# Altium PCB mchf_pro_ui.PcbDoc (part 1 of 5)
Units mil, origin at the board's own origin, x right, y up, seen from the top; angles counter-clockwise.
Board outline 7877.73 x 5661.04 mil, 2 copper layers (Top Layer, Bottom Layer); 336 components, 338 nets, 1291 pads, 827 vias.
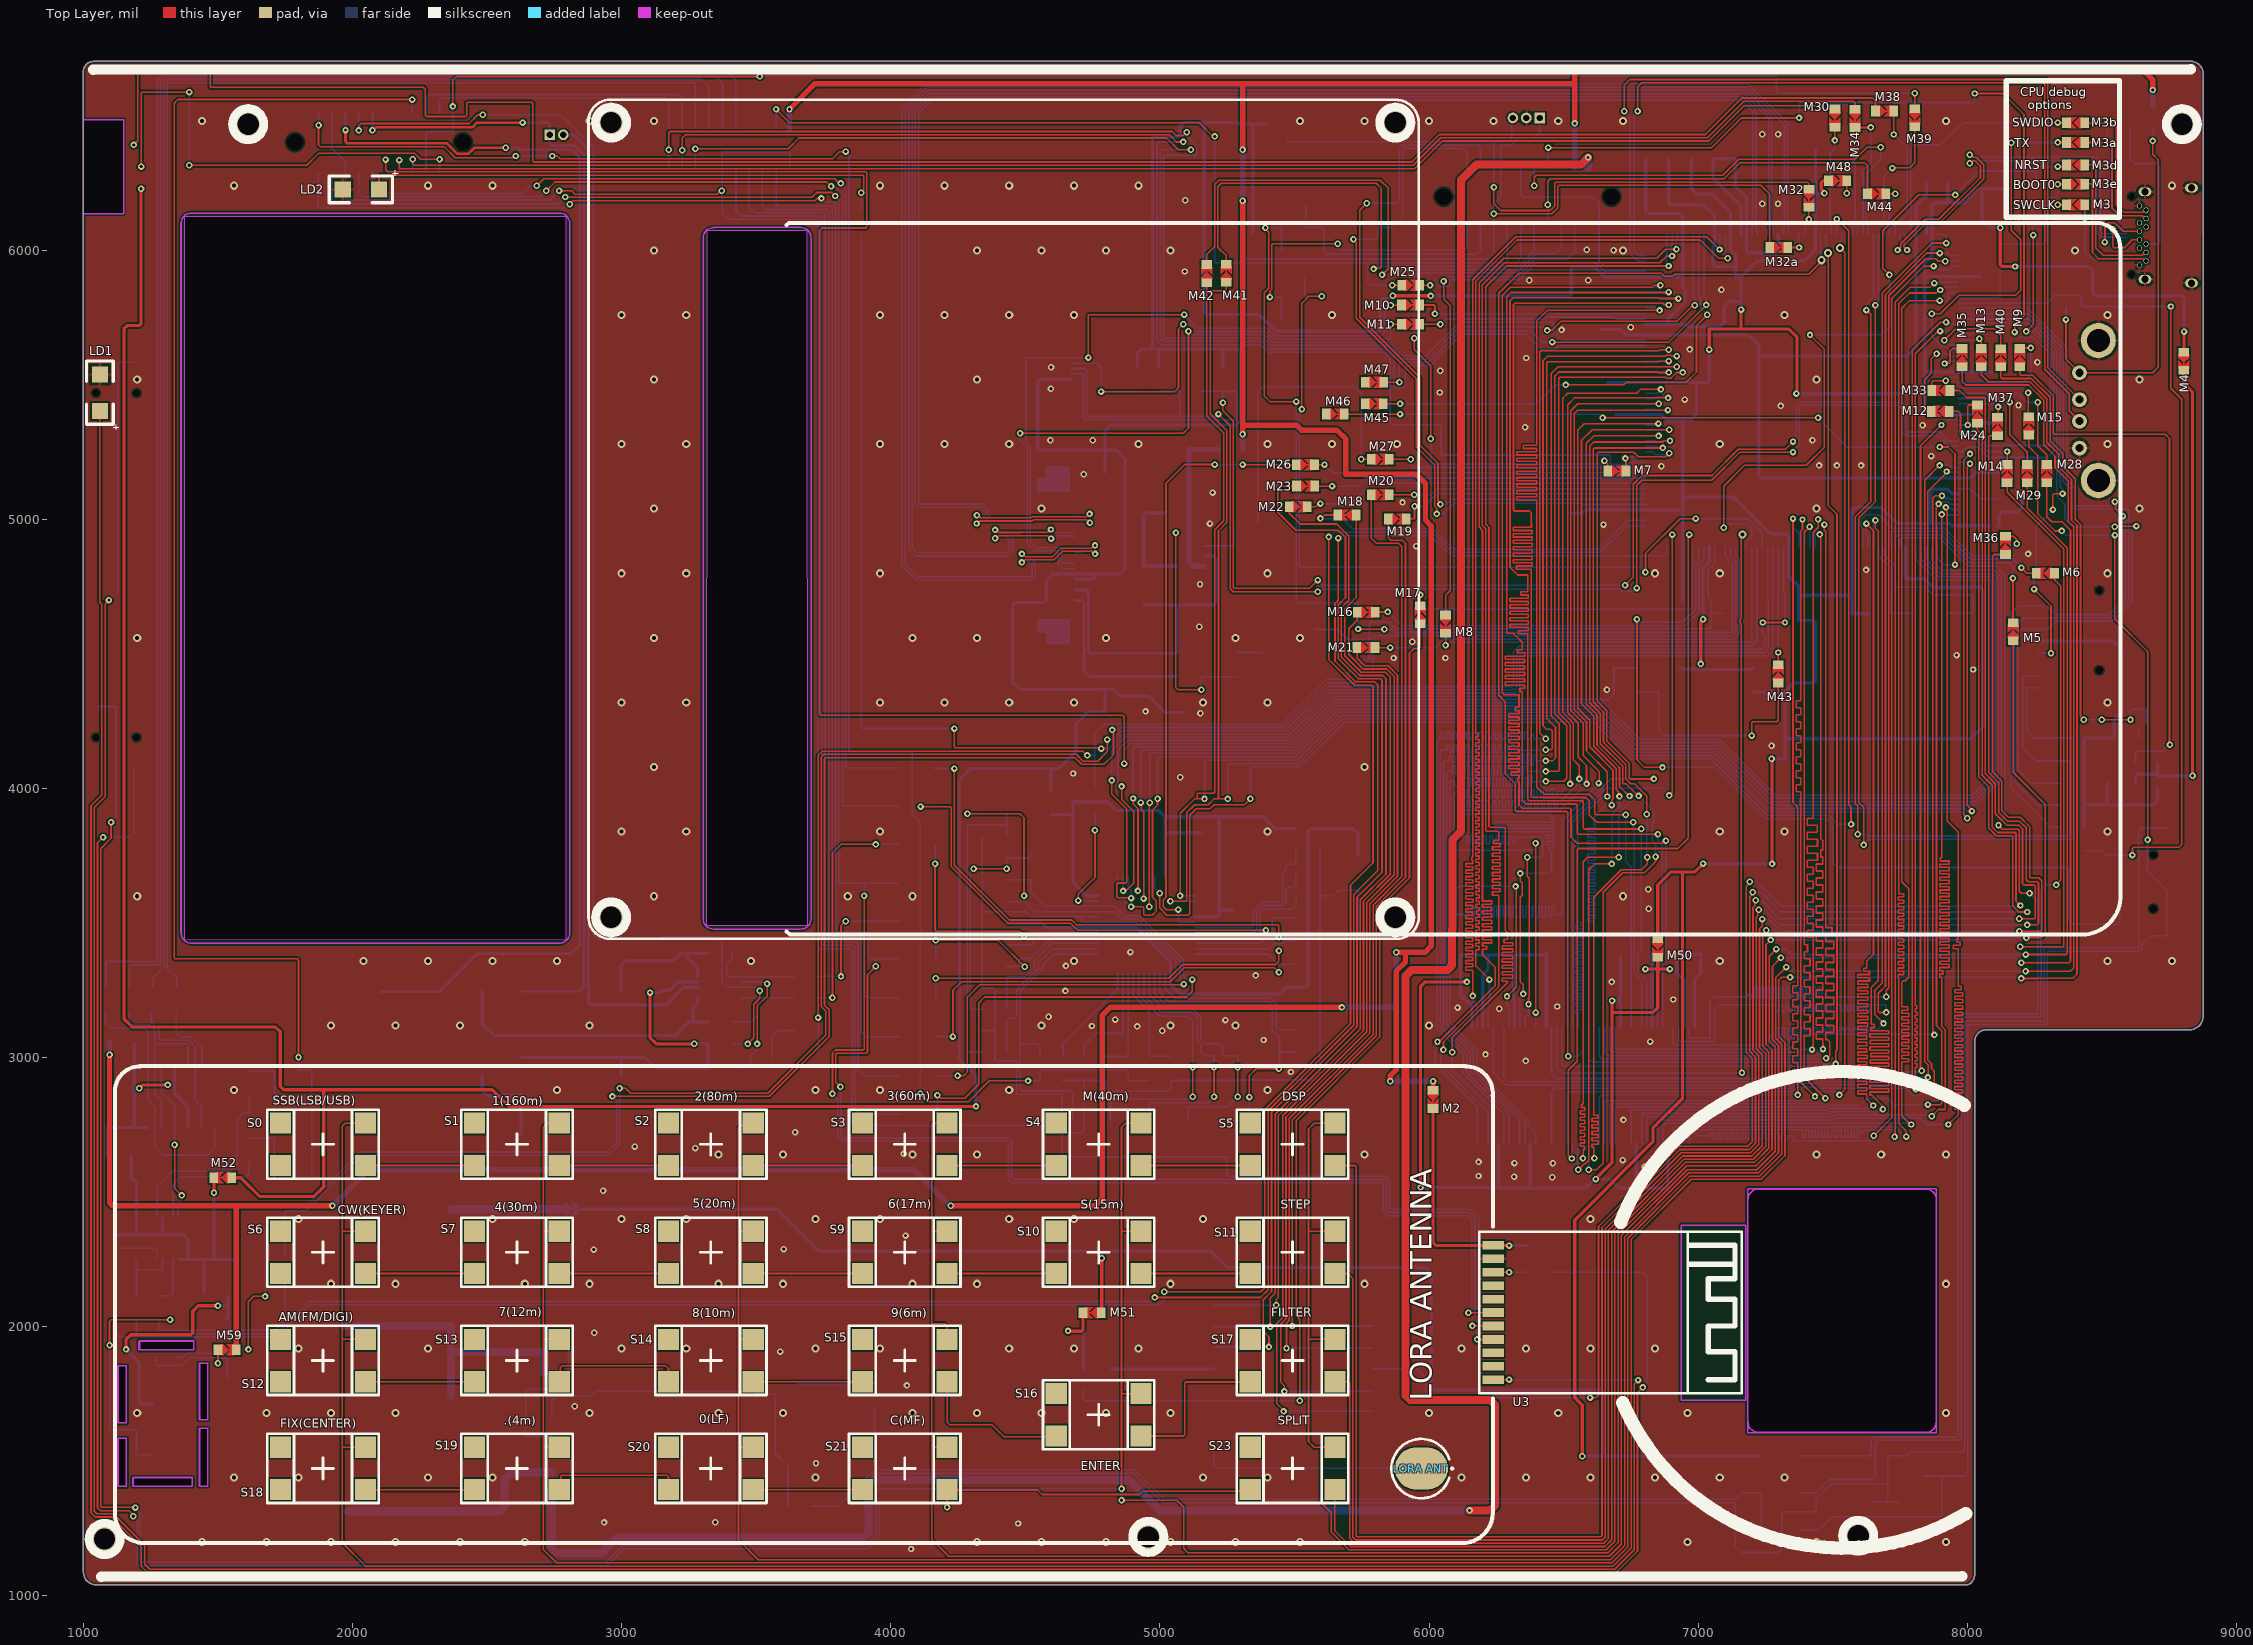
[diagram p0: Top Layer view]
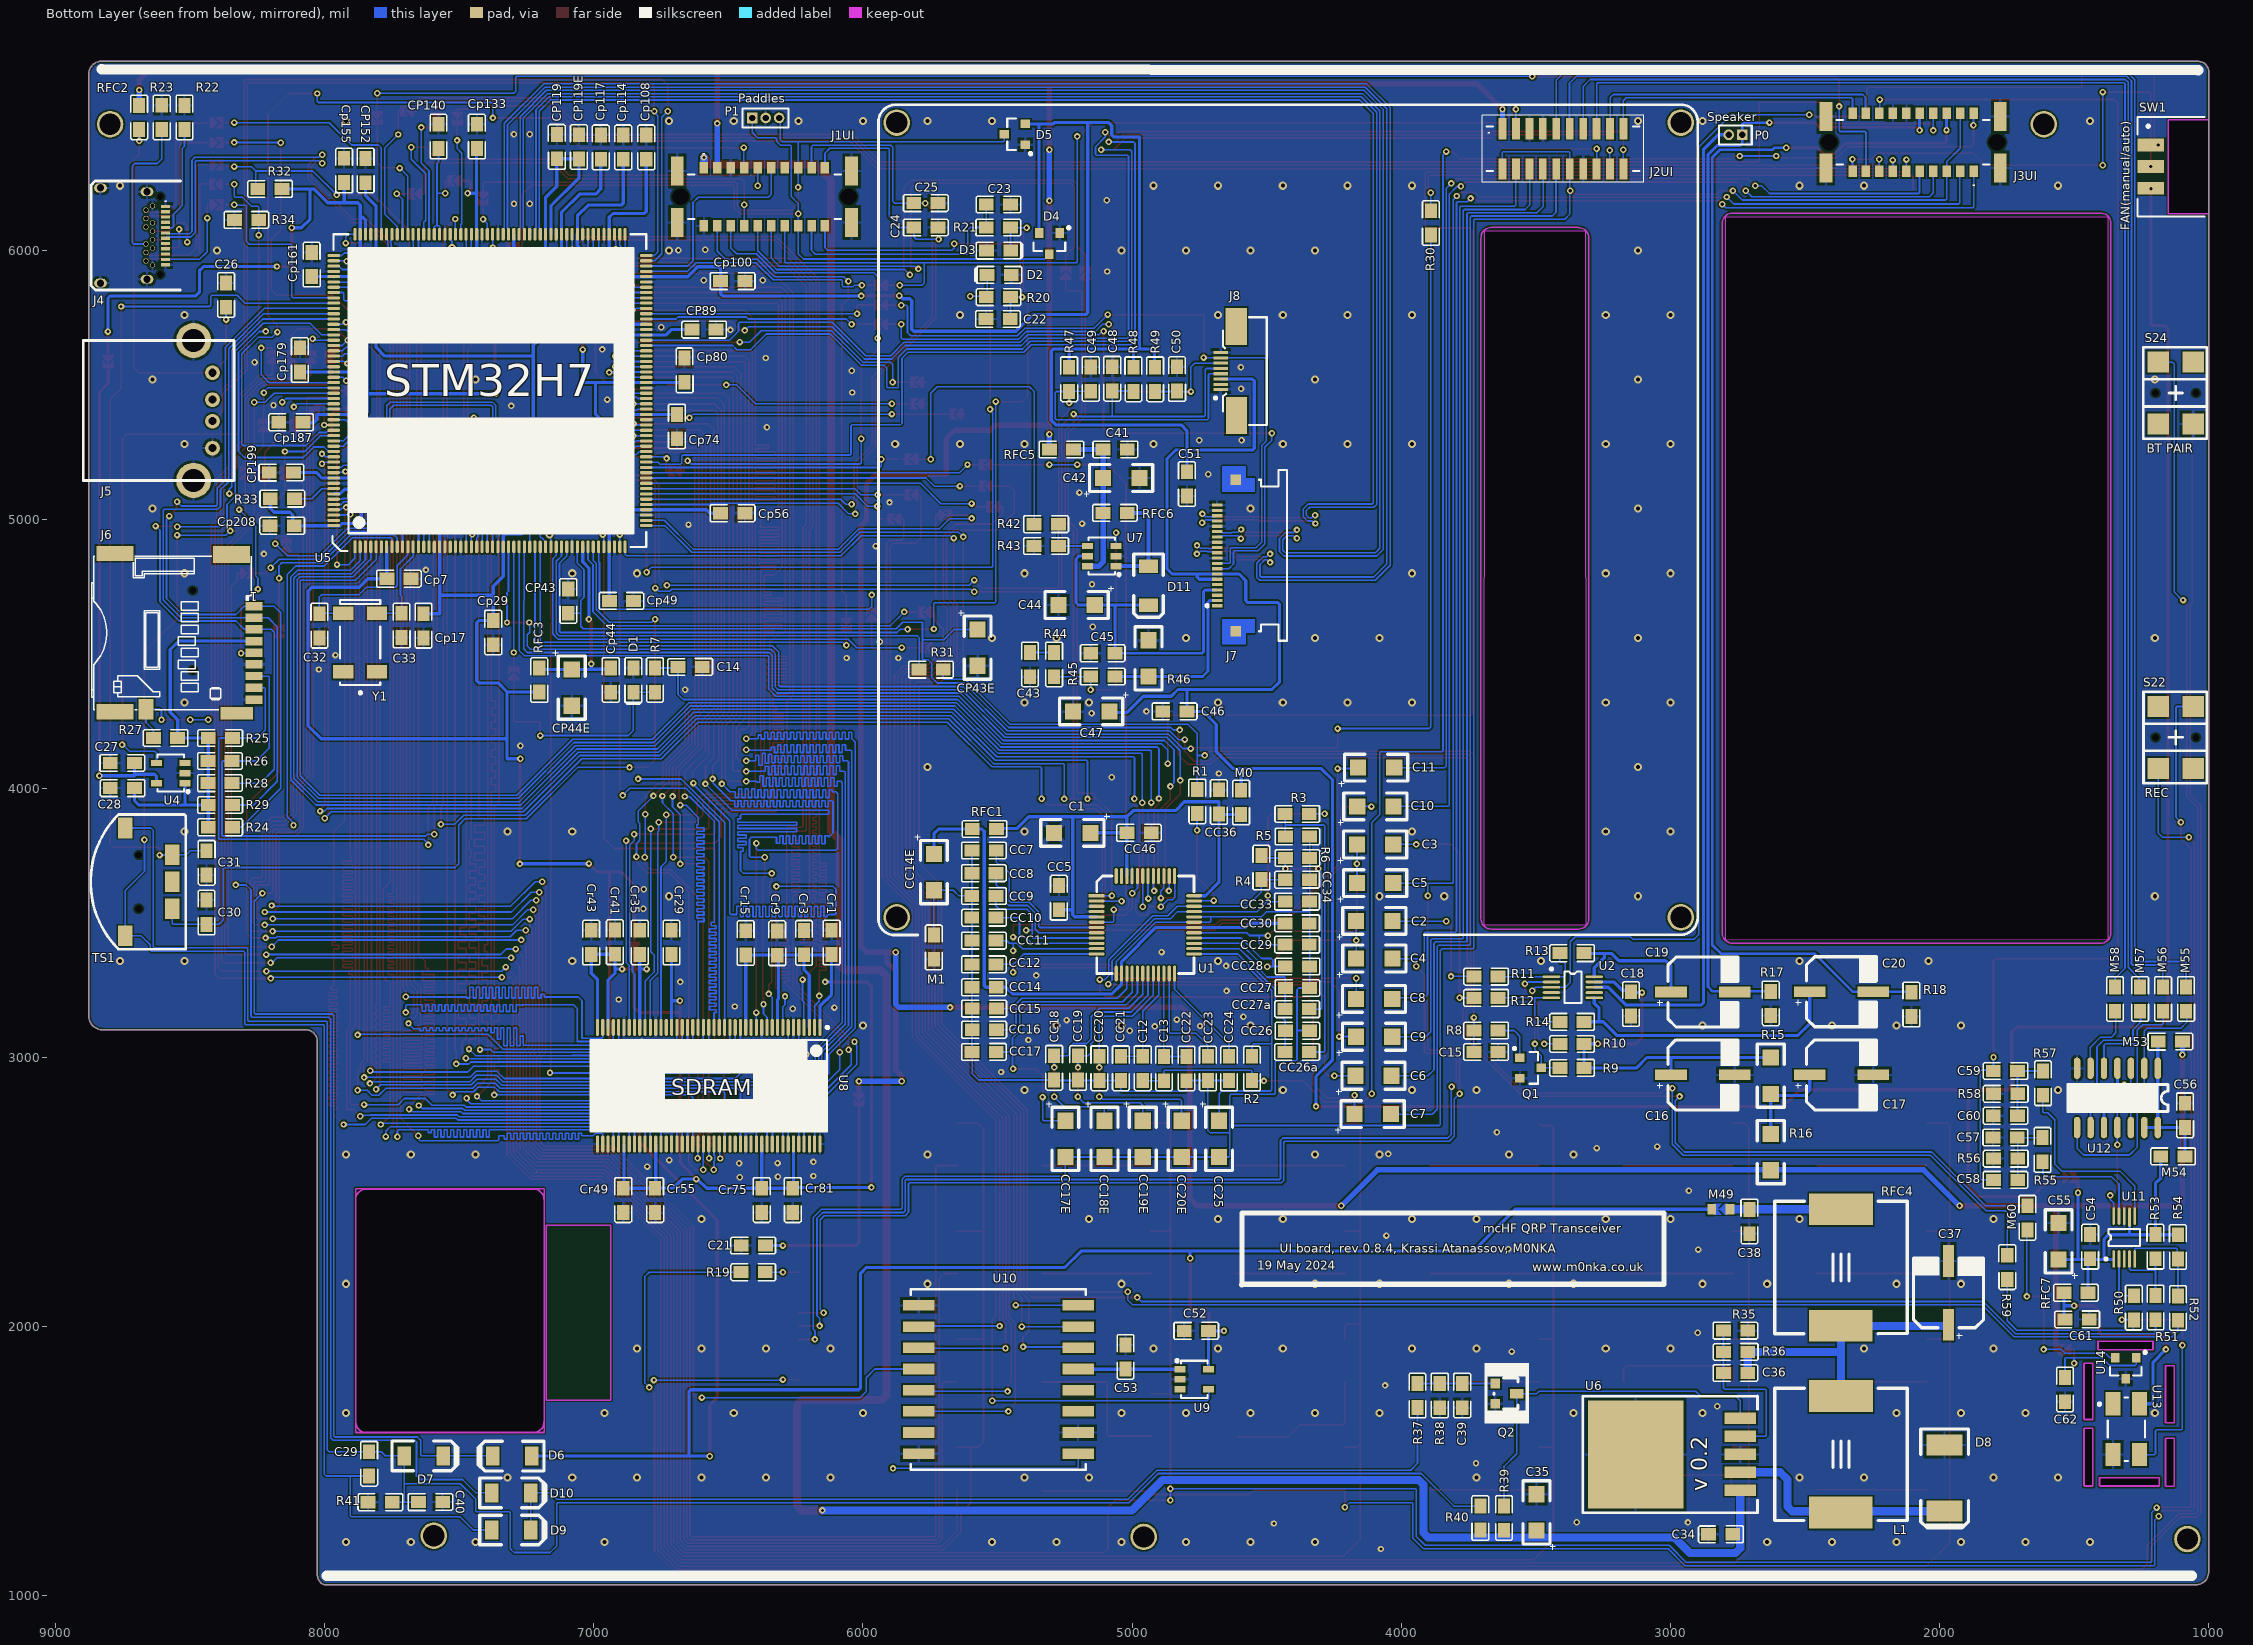
[diagram p1: Bottom Layer view, seen from below]

## Layer stack, top to bottom
Top Solder: solder mask 0.4, Solder Resist, Dk 3.5
Top Layer: signal copper 1.4
Dielectric 1: dielectric 12.6, FR-4, Dk 4.8
Bottom Layer: signal copper 1.4
Bottom Solder: solder mask 0.4, Solder Resist, Dk 3.5

## Board outline
1047.73,1041.39 cw(c1047.54,1088.93) 1000,1088.93 999.58,5699.29 999.49,6661.89 999.49,6662.44 cw(c1038.71,6662.76) 1038.39,6701.98 8828.29,6701.98 8828.11,6702.43 cw(c8828.3,6653.51) 8877.22,6653.91 8877.01,6653.11 8876.34,3156.5 cw(c8824.85,3155.22) 8826.12,3103.72 8825.65,3103.46 8070.87,3103.46 ccw(c8070.02,3061.02) 8027.58,3061.87 8027.56,3061.87 8027.56,1076.79 8027.17,1076.79 cw(c7988.18,1078.6) 7999.97,1041.39 7999.98,1041.39
cut-out: 2794.41,3439.04 2794.41,6124.72 1375.63,6124.72 1374.02,3440.98
cut-out: 1129.44,1408.64 1161.54,1408.64 1161.54,1586.16 1129.44,1586.16
cut-out: 1129.44,1644.15 1161.54,1644.15 1161.54,1856.06 1129.44,1856.06
cut-out: 1463.83,1623.5 1431.73,1623.5 1431.73,1409.07 1463.83,1409.07
cut-out: 1463.83,1865.15 1431.73,1865.15 1431.73,1656.3 1463.83,1656.3
cut-out: 1185.44,1441.7 1185.44,1409.6 1406.44,1409.6 1406.44,1441.7
cut-out: 1208.44,1947.7 1208.44,1915.07 1412.29,1915.07 1412.29,1947.7
cut-out: 3689.65,6072.62 3316.76,6072.62 3314.72,3493.07 3691.98,3493.07
cut-out: 7884.17,2512.89 7183.95,2512.89 7183.95,1607.59 7884.17,1607.59

## Design rules (kind name [scope] priority, off if disabled: settings)
Clearance Clearance_2 [InComponent('U204')] p1: gap=5 ignorepadtopadclearanceinfootprint=FALSE except(0: Arc-Hole Track-Hole SMDPad-Hole THPad-Hole Via-Hole Fill-Hole Poly-Hole Region-Hole Text-Hole)
Clearance [All] p2: gap=6 ignorepadtopadclearanceinfootprint=FALSE except(0: Arc-Hole Track-Hole SMDPad-Hole THPad-Hole Via-Hole Fill-Hole Poly-Hole Region-Hole Text-Hole)
DiffPairsRouting [All] p1: maxlimit=24 minlimit=6 mostfreqgap=6 toplayer_minwidth=6 toplayer_maxwidth=6 toplayer_prefwidth=6 bottomlayer_minwidth=6 bottomlayer_maxwidth=6 bottomlayer_prefwidth=6 maxuncoupledlength=500
HoleSize [All] p1: absolutevalues=TRUE maxlimit=6000 minlimit=11.81 maxpercent=80.000 minpercent=20.000
MatchedLengths "Schematic Matched Net Lengths_4" [InNet('OTG_HS_DP')] p1: tolerance=300 checknetsindiffpair=TRUE checkdiffpairvsdiffpair=FALSE checkxsignals=FALSE checkothers=FALSE
MatchedLengths "Schematic Matched Net Lengths" [InNet('OTG_HS_DM')] p2: tolerance=300 checknetsindiffpair=TRUE checkdiffpairvsdiffpair=FALSE checkxsignals=FALSE checkothers=FALSE
MatchedLengths "Schematic Matched Net Lengths_12" [InNetClass('FMC_D[0..31]')] p3: tolerance=100 checknetsindiffpair=FALSE checkdiffpairvsdiffpair=TRUE checkxsignals=TRUE checkothers=TRUE
MatchedLengths "Schematic Matched Net Lengths_3" [InNetClass('FMC_A[0..11]')] p4: tolerance=100 checknetsindiffpair=FALSE checkdiffpairvsdiffpair=TRUE checkxsignals=TRUE checkothers=TRUE
MatchedLengths "Schematic Matched Net Lengths_2" [InNet('USB_DFU_N')] p5: tolerance=300 checknetsindiffpair=TRUE checkdiffpairvsdiffpair=FALSE checkxsignals=FALSE checkothers=FALSE
MatchedLengths "Schematic Matched Net Lengths_1" [InNet('USB_DFU_P')] p6: tolerance=300 checknetsindiffpair=TRUE checkdiffpairvsdiffpair=FALSE checkxsignals=FALSE checkothers=FALSE
PolygonConnect PolygonConnect_4 [InComponent('C1') or InComponent('C2') or InComponent('C5')  or InComponent('C6')] p1: connectstyle=Relief reliefconductorwidth=20 reliefentries=4 polygonreliefangle="45 Angle" airgapwidth=10
PolygonConnect PolygonConnect_1 [IsVia] p2: connectstyle=Direct reliefconductorwidth=10 reliefentries=4 polygonreliefangle="90 Angle" airgapwidth=10
PolygonConnect [All] p3: connectstyle=Relief reliefconductorwidth=10 reliefentries=4 polygonreliefangle="90 Angle" airgapwidth=10
RoomDefinition "BT Audio Module" [InComponentClass('BT Audio Module')] p1: confinementstyle=ConfineOut formatcopy=TRUE lockcomponents=FALSE outline 8326.72,6832.68 8840.55,6832.68 8840.55,7471.46 8326.72,7471.46
RoomDefinition "Speaker Amp" [InComponentClass('Speaker Amp')] p2: confinementstyle=ConfineOut formatcopy=TRUE lockcomponents=FALSE outline 7312.99,7855.31 8839.57,7855.31 8839.57,8160.43 7312.99,8160.43
RoomDefinition Codec [InComponentClass('Codec')] p3: confinementstyle=ConfineIn formatcopy=TRUE lockcomponents=FALSE outline 5853.41,2409.89 5853.41,4169.48 3920.4,4169.48 3920.4,2409.89
RoomDefinition "Debug Port" [InComponentClass('Debug Port')] p4: confinementstyle=ConfineIn formatcopy=TRUE lockcomponents=FALSE outline 8876.88,6643.7 8091.98,6643.7 8091.98,4617.07 8876.88,4617.07
RoomDefinition "LORA wireless module" [InComponentClass('LORA wireless module')] p5: confinementstyle=ConfineOut formatcopy=TRUE lockcomponents=FALSE outline 6156.5,7856.3 7292.32,7856.3 7292.32,8159.45 6156.5,8159.45
RoomDefinition "LCD interface" [InComponentClass('LCD interface')] p6: confinementstyle=ConfineIn formatcopy=TRUE lockcomponents=FALSE outline 3923.23,4184.06 5771.65,4184.06 5771.65,6621.28 3923.23,6621.28
RoomDefinition "Local Oscillator" [InComponentClass('Local Oscillator')] p7: confinementstyle=ConfineIn formatcopy=TRUE lockcomponents=FALSE outline 1985.24,3409.45 1050.35,3409.45 1050.35,1352.36 1985.24,1352.36
RoomDefinition SDRAM [InComponentClass('SDRAM')] p8: confinementstyle=ConfineIn formatcopy=TRUE lockcomponents=FALSE outline 5883.86,3655.12 5883.86,2360.24 7162.35,2360.24 7162.35,3655.12
RoomDefinition CPU [InComponentClass('CPU')] p9: confinementstyle=ConfineOut formatcopy=TRUE lockcomponents=FALSE outline 6151,6828 6517,6828 6517,7836 6151,7836
RoomDefinition "RF/Audio board Interface" [InComponentClass('RF/Audio board Interface')] p10: confinementstyle=ConfineOut formatcopy=TRUE lockcomponents=FALSE outline 7588.52,6833.66 8315.68,6833.66 8315.68,7471.46 7588.52,7471.46
RoomDefinition "UI Controls" [InComponentClass('UI Controls')] p11: confinementstyle=ConfineOut formatcopy=TRUE lockcomponents=FALSE outline 6536,6828 7580,6828 7580,7477 6536,7477
RoomDefinition "CPU power and clocks" [InComponentClass('CPU power and clocks')] p12: confinementstyle=ConfineOut formatcopy=TRUE lockcomponents=FALSE outline 6536,7495 8840,7495 8840,7832 6536,7832
RoutingVias [All] p1: holewidth=15 width=30 viastyle="Through Hole" minholewidth=28 minwidth=50 maxholewidth=28 maxwidth=50
SilkToSilkClearance [All] p1: silktosilkclearance=5
SilkToSolderMaskClearance SilkscreenOverComponentPads [IsPad] p1: minsilkscreentomaskgap=0 clearancetoexposedcopper=TRUE
SolderMaskExpansion SolderMaskExpansion_1 [IsVia] p1: expansion=-15 istentingtop=FALSE
SolderMaskExpansion [All] p2: expansion=4 istentingtop=FALSE
Width "Schematic Width Constraint_31" [InNet('NetC36_2')] p1: maxlimit=30 minlimit=30 preferedwidth=30
Width "Schematic Width Constraint_30" [InNet('NetD8_2')] p2: maxlimit=30 minlimit=30 preferedwidth=30
Width "Schematic Width Constraint_29" [InNet('VCC_20V')] p3: maxlimit=30 minlimit=30 preferedwidth=30
Width "Schematic Width Constraint_28" [InNet('NetC38_1')] p4: maxlimit=30 minlimit=30 preferedwidth=30
Width "Schematic Width Constraint_27" [InNet('LCD_VDD')] p5: maxlimit=20 minlimit=20 preferedwidth=20
Width "Schematic Width Constraint_26" [InNet('VCC_5V_RF')] p6: maxlimit=20 minlimit=20 preferedwidth=20
Width "Schematic Width Constraint_25" [InNet('GND')] p7: maxlimit=20 minlimit=20 preferedwidth=20
Width "Schematic Width Constraint_24" [InNet('NetD11_1')] p8: maxlimit=15 minlimit=15 preferedwidth=15
Width "Schematic Width Constraint_23" [InNet('SD_POWER')] p9: maxlimit=12 minlimit=12 preferedwidth=12
Width "Schematic Width Constraint_22" [InNet('UI_3V_SDRAM')] p10: maxlimit=12 minlimit=12 preferedwidth=12
Width "Schematic Width Constraint_21" [InNet('UI_3V_LO')] p11: maxlimit=12 minlimit=12 preferedwidth=12
Width "Schematic Width Constraint_20" [InNet('NetC56_2')] p12: maxlimit=12 minlimit=12 preferedwidth=12
Width "Schematic Width Constraint_19" [InNet('NetC21_2')] p13: maxlimit=12 minlimit=12 preferedwidth=12
Width "Schematic Width Constraint_18" [InNet('VDDA')] p14: maxlimit=12 minlimit=12 preferedwidth=12
Width "Schematic Width Constraint_17" [InNet('NetC20_1')] p15: maxlimit=12 minlimit=12 preferedwidth=12
Width "Schematic Width Constraint_16" [InNet('NetCP89_2')] p16: maxlimit=12 minlimit=12 preferedwidth=12
Width "Schematic Width Constraint_15" [InNet('UI_3V_MCU')] p17: maxlimit=12 minlimit=12 preferedwidth=12
Width "Schematic Width Constraint_14" [InNet('NetC1_1')] p18: maxlimit=12 minlimit=12 preferedwidth=12
Width "Schematic Width Constraint_13" [InNet('NetC53_2')] p19: maxlimit=12 minlimit=12 preferedwidth=12
Width "Schematic Width Constraint_12" [InNet('NetC61_2')] p20: maxlimit=12 minlimit=12 preferedwidth=12
Width "Schematic Width Constraint_11" [InNet('NetC19_1')] p21: maxlimit=12 minlimit=12 preferedwidth=12
Width "Schematic Width Constraint_10" [InNet('NetCP119_1')] p22: maxlimit=12 minlimit=12 preferedwidth=12
Width "Schematic Width Constraint_9" [InNet('NetCC14_2')] p23: maxlimit=12 minlimit=12 preferedwidth=12
Width "Schematic Width Constraint_8" [InNet('NetP0_2')] p24: maxlimit=12 minlimit=12 preferedwidth=12
Width "Schematic Width Constraint_7" [InNet('NetC27_2')] p25: maxlimit=12 minlimit=12 preferedwidth=12
Width "Schematic Width Constraint_6" [InNet('NetC52_2')] p26: maxlimit=12 minlimit=12 preferedwidth=12
Width "Schematic Width Constraint_5" [InNet('NetC16_1')] p27: maxlimit=12 minlimit=12 preferedwidth=12
Width "Schematic Width Constraint_4" [InNet('NetC17_1')] p28: maxlimit=12 minlimit=12 preferedwidth=12
Width "Schematic Width Constraint_3" [InNet('LCD_BL_A')] p29: maxlimit=10 minlimit=10 preferedwidth=10
Width "Schematic Width Constraint_2" [InNet('PHONES_R')] p30: maxlimit=10 minlimit=10 preferedwidth=10
Width "Schematic Width Constraint_1" [InNet('LCD_BL_K')] p31: maxlimit=10 minlimit=10 preferedwidth=10
Width "Schematic Width Constraint" [InNet('PHONES_L')] p32: maxlimit=10 minlimit=10 preferedwidth=10
Width [All] p33: maxlimit=6 minlimit=6 preferedwidth=6
26 further rules are at their usual default settings.

## Classes and differential pairs
component class "BT Audio Module": C21 LD1 M2 R19 U3
component class "Speaker Amp": C14 C15 C16 C17 C18 C19 C20 D1 J3UI P0 Q1 R7 R8 R9 R10 R11 R12 R13 R14 R15 R16 R17 R18 SW1 U2
component class "LORA wireless module": C52 C53 "Lora Ant" M51 U9 U10
component class "Debug Port": C26 C27 C28 J4 J5 J6 M3 M3a M3b M3d M3e M4 R22 R23 R24 R25 R26 R27 R28 R29 RFC2 U4
component class Codec: C1 C2 C3 C4 C5 C6 C7 C8 C9 C10 C11 C12 C13 CC5 CC7 CC8 CC9 CC10 CC11 CC12 CC14 CC14E CC15 CC16 CC17 CC17E CC18 CC18E CC19 CC19E CC20 CC20E CC21 CC22 CC23 CC24 CC25 CC26 CC26a CC27 CC27a CC28 CC29 CC30 CC33 CC34 CC36 CC46 M0 M1 R1 R2 R3 R4 R5 R6 RFC1 U1
component class "Local Oscillator": C54 C55 C56 C57 C58 C59 C60 C61 C62 J2UI M52 M53 M54 M55 M56 M57 M58 M59 M60 R50 R51 R52 R53 R54 R55 R56 R57 R58 R59 RFC7 U11 U12 U13 U14
component class "CPU Power and Clocks": C32 C33 C34 C35 C36 C37 C38 C39 C40 Cp7 Cp17 Cp29 CP43 CP43E Cp44 CP44E Cp49 Cp56 Cp74 Cp80 CP89 Cp100 Cp108 Cp114 Cp117 CP119 CP119E Cp133 CP140 CP152 Cp155 Cp161 Cp179 Cp187 CP199 Cp208 D6 D7 D8 D9 D10 L1 M48 M49 Q2 R32 R33 R34 R35 R36 R37 R38 R39 R40 R41 RFC3 RFC4 U6 Y1
net class FMC_D[0..31]: FMC_D0 FMC_D1 FMC_D2 FMC_D3 FMC_D4 FMC_D5 FMC_D6 FMC_D7 FMC_D8 FMC_D9 FMC_D10 FMC_D11 FMC_D12 FMC_D13 FMC_D14 FMC_D15 FMC_D16 FMC_D17 FMC_D18 FMC_D19 FMC_D20 FMC_D21 FMC_D22 FMC_D23 FMC_D24 FMC_D25 FMC_D26 FMC_D27 FMC_D28 FMC_D29 FMC_D30 FMC_D31
net class FMC_A[0..11]: FMC_A0 FMC_A1 FMC_A2 FMC_A3 FMC_A4 FMC_A5 FMC_A6 FMC_A7 FMC_A8 FMC_A9 FMC_A10 FMC_A11
component class SDRAM: Cr1 Cr3 Cr9 Cr15 Cr29 Cr35 Cr41 Cr43 Cr49 Cr55 Cr75 Cr81 M50 U8
component class "RF/Audio board Interface": C22 C23 C24 C25 D2 D3 D4 D5 J1UI P1 R20 R21
component class "UI Controls": C29 C30 C31 C252 C255 C258 C267 C268 C269 C270 C271 C272 LD2 R30 S0 S1 S2 S3 S4 S5 S6 S7 S8 S9 S10 S11 S12 S13 S14 S15 S16 S17 S18 S19 S20 S21 S22 S23 S24 TS1
component class CPU: M5 M6 M7 M8 M9 M10 M11 M12 M13 M14 M15 M16 M17 M18 M19 M20 M21 M22 M23 M24 M25 M26 M27 M28 M29 M30 M32 M32a M33 M34 M35 M36 M37 M38 M39 M40 M41 M42 M43 M44 M45 M46 M47 R31 R_15 U5
component class "LCD interface": C41 C42 C43 C44 C45 C46 C47 C48 C49 C50 C51 D11 J7 J8 L4 L5 R42 R43 R44 R45 R46 R47 R48 R49 RFC5 RFC6 U7
differential pair DSI_D1: +DSI_D1_P -DSI_D1_N
differential pair DSI_D0: +DSI_D0_P -DSI_D0_N
differential pair DSI_CLK: +DSI_CLK_P -DSI_CLK_N
differential pair USB_DFU: +USB_DFU_P -USB_DFU_N

## Components (designator, comment, footprint, x,y, rotation, side; value= is the part's Value field where it differs from the comment)
C1 "10uF" 1206_Elec_Cap 5153.65,3835.73 r0 bottom
C2 "1uF" 1206_Elec_Cap 4168.15,3508.31 r180 bottom
C3 "1uF" 1206_Elec_Cap 4165.19,3792.31 r180 bottom
C4 "1uF" 1206_Elec_Cap 4168.15,3368.19 r180 bottom
C5 "1uF" 1206_Elec_Cap 4165.19,3648.41 r180 bottom
C6 "1uF" 1206_Elec_Cap 4171.29,2932.85 r180 bottom
C7 "1uF" 1206_Elec_Cap 4174.24,2790.13 r180 bottom
C8 "1uF" 1206_Elec_Cap 4169.37,3218.28 r180 bottom
C9 "1uF" 1206_Elec_Cap 4169.37,3077.88 r180 bottom
C10 "1uF" 1206_Elec_Cap 4164.4,3933.83 r180 bottom
C11 "1uF" 1206_Elec_Cap 4161.45,4077.53 r180 bottom
C12 "2.2uF" 0805 4960.53,3006.12 r270 bottom value=100nF
C13 "2.2uF" 0805 4881.79,3005.21 r270 bottom value=100nF
C14 "100nF" 0805 6596.28,4452.4 r0 bottom
C15 "100nF" 0805 3638.91,3021.39 r0 bottom
C16 "220uF" CAP_ALUM_Pro 2879.08,2936.03 r180 bottom locked
C17 "220uF" CAP_ALUM_Pro 2364.17,2936.03 r180 bottom locked
C18 "100nF" 0805 3145.67,3154.53 r90 bottom
C19 "100uF" CAP_ALUM_Pro 2878.94,3244.09 r180 bottom locked
C20 "100uF" CAP_ALUM_Pro 2364.17,3245.38 r180 bottom locked
C21 "100nF" 0805 6453.06,2301.94 r180 bottom
C22 "100nF" 0805 5543.48,5744.44 r180 bottom
C23 "100nF" 0805 5450.92,6170.5 r0 bottom
C24 "100nF" 0805 5811.88,6084.42 r180 bottom
C25 "100nF" 0805 5811.88,6174.97 r180 bottom
C26 "100nF" 0805 8366.45,5878.94 r270 bottom
C27 "2.2uF" 0805 8797.36,4094.74 r180 bottom value=1礔
C28 "100nF" 0805 8705.64,4001.97 r0 bottom
C29 "100nF" 0805 7834.87,1536.72 r270 bottom
C30 "100nF" 0805 8438.75,3494.62 r90 bottom
C31 "100nF" 0805 8438.75,3769.78 r270 bottom
C32 "1.5pF" 0805 8019.76,4650.76 r270 bottom
C33 "1.5pF" 0805 7713.89,4560.27 r90 bottom
C34 "100nF" 0805 2766.86,1229.55 r0 bottom
C35 "22uF" 1206_Elec_Cap 3497.05,1242.13 r90 bottom
C36 "DNI" 0805 2803.26,1828.05 r180 bottom
C37 "220uF" CAP_ALUM_Pro 1966.39,2126.24 r90 bottom locked
C38 "100nF" 0805 2706.39,2436.93 r270 bottom
C39 "100nF" 0805 3773.57,1789.96 r270 bottom
C40 "100nF" 0805 7652.45,1348.65 r180 bottom
C41 "100nF" 0805 5016.86,5260.06 r0 bottom
C42 "10uF" 1206_Elec_Cap 5108.57,5153.89 r180 bottom
C43 "2.2uF" 0805 5379.59,4506.57 r270 bottom
C44 "1uF" 1206_Elec_Cap 5138,4682.31 r0 bottom
C45 "100nF" 0805 5154.42,4502.54 r180 bottom
C46 "100nF" 0805 4887.12,4286.65 r180 bottom value=100pF
C47 "10uF" 1206_Elec_Cap 5083.63,4287.09 r0 bottom
C48 "18pF" 0805 5074.04,5568.22 r270 bottom
C49 "18pF" 0805 5153.78,5566.93 r270 bottom
C50 "18pF" 0805 4832.45,5476.51 r90 bottom
C51 "100nF" 0805 4796.04,5086.31 r90 bottom value=100pF
C52 "2.2uF" 0805 4806.96,1985.01 r180 bottom value=1礔
C53 "100nF" 0805 5024.83,1933.93 r270 bottom
C54 "100nF" 0805 1439.86,2252.17 r90 bottom
C55 "10uF" 1206_Elec_Cap 1556.86,2249.46 r90 bottom
C56 "100nF" 0805 1087.72,2831.46 r270 bottom
C57 "1nF" 0805 1709.77,2703.96 r0 bottom
C58 "390" 0805 1800.14,2545.72 r180 bottom
C59 "390" 0805 1709.18,2951.02 r0 bottom
C60 "1nF" 0805 1709.18,2784.67 r0 bottom
C61 "100nF" 0805 1442.88,2027.94 r0 bottom
C62 "100nF" 0805 1533.96,1812.23 r270 bottom
CC5 "100nF" 0805 5271.65,3549.27 r90 bottom
CC7 "1nF" 0805 5595.73,3769.79 r180 bottom
CC8 "1nF" 0805 5596.13,3685.27 r180 bottom
CC9 "1nF" 0805 5505.17,3601.33 r0 bottom
CC10 "1nF" 0805 5504.77,3520.59 r0 bottom
CC11 "1nF" 0805 5596.13,3434.75 r180 bottom
CC12 "1nF" 0805 5596.13,3346.67 r180 bottom
CC14 "100nF" 0805 5595.7,3261.4 r180 bottom
CC14E "10uF" 1206_Elec_Cap 5736.62,3758.25 r270 bottom
CC15 "2.2uF" 0805 5594.98,3182.05 r180 bottom value=100nF
CC16 "2.2uF" 0805 5594.98,3103.67 r180 bottom value=100nF
CC17 "100nF" 0805 5595.27,3021.19 r180 bottom
CC17E "10uF" 1206_Elec_Cap 5247.92,2766.74 r270 bottom
CC18 "100nF" 0805 5289.73,3007.99 r270 bottom
CC18E "10uF" 1206_Elec_Cap 5102.88,2766.74 r270 bottom
CC19 "100nF" 0805 5200.69,2916.18 r90 bottom
CC19E "47uF" 1206_Elec_Cap 4960.53,2766.74 r270 bottom
CC20 "100nF" 0805 5121.75,3006.12 r270 bottom
CC20E "47uF" 1206_Elec_Cap 4815.35,2766.74 r270 bottom
CC21 "1nF" 0805 5041.89,3006.12 r270 bottom
CC22 "1nF" 0805 4798.19,3005.21 r270 bottom
CC23 "1nF" 0805 4718.08,2914.41 r90 bottom
CC24 "1nF" 0805 4639.5,2914.36 r90 bottom
CC25 "47uF" 1206_Elec_Cap 4676.74,2766.74 r270 bottom
CC26 "1nF" 0805 4431.19,3099.78 r180 bottom
CC26a "1nF" 0805 4341.03,3021.39 r0 bottom
CC27 "1nF" 0805 4431.03,3258.83 r180 bottom